# Altium PCB Neon-Demon-Earing-revA.PcbDoc
Units mm, origin at the board's own origin, x right, y up, seen from the top; angles counter-clockwise.
Board outline 8.16 x 6.19 mm, 2 copper layers (Top Layer, Bottom Layer); 6 components, 5 nets, 17 pads, 6 vias.
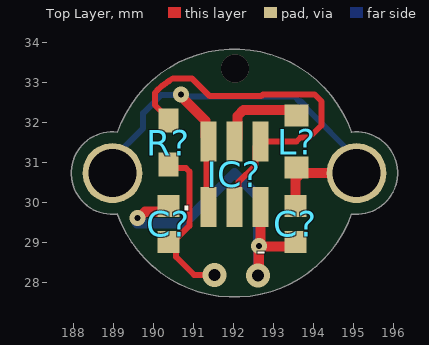
[diagram p0: Top Layer view]
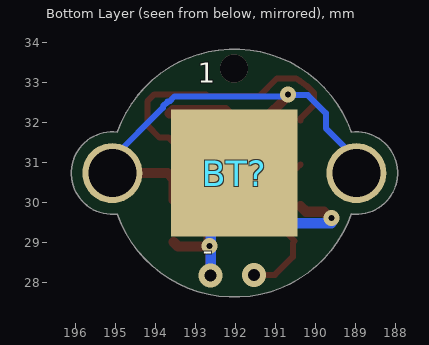
[diagram p1: Bottom Layer view, seen from below]
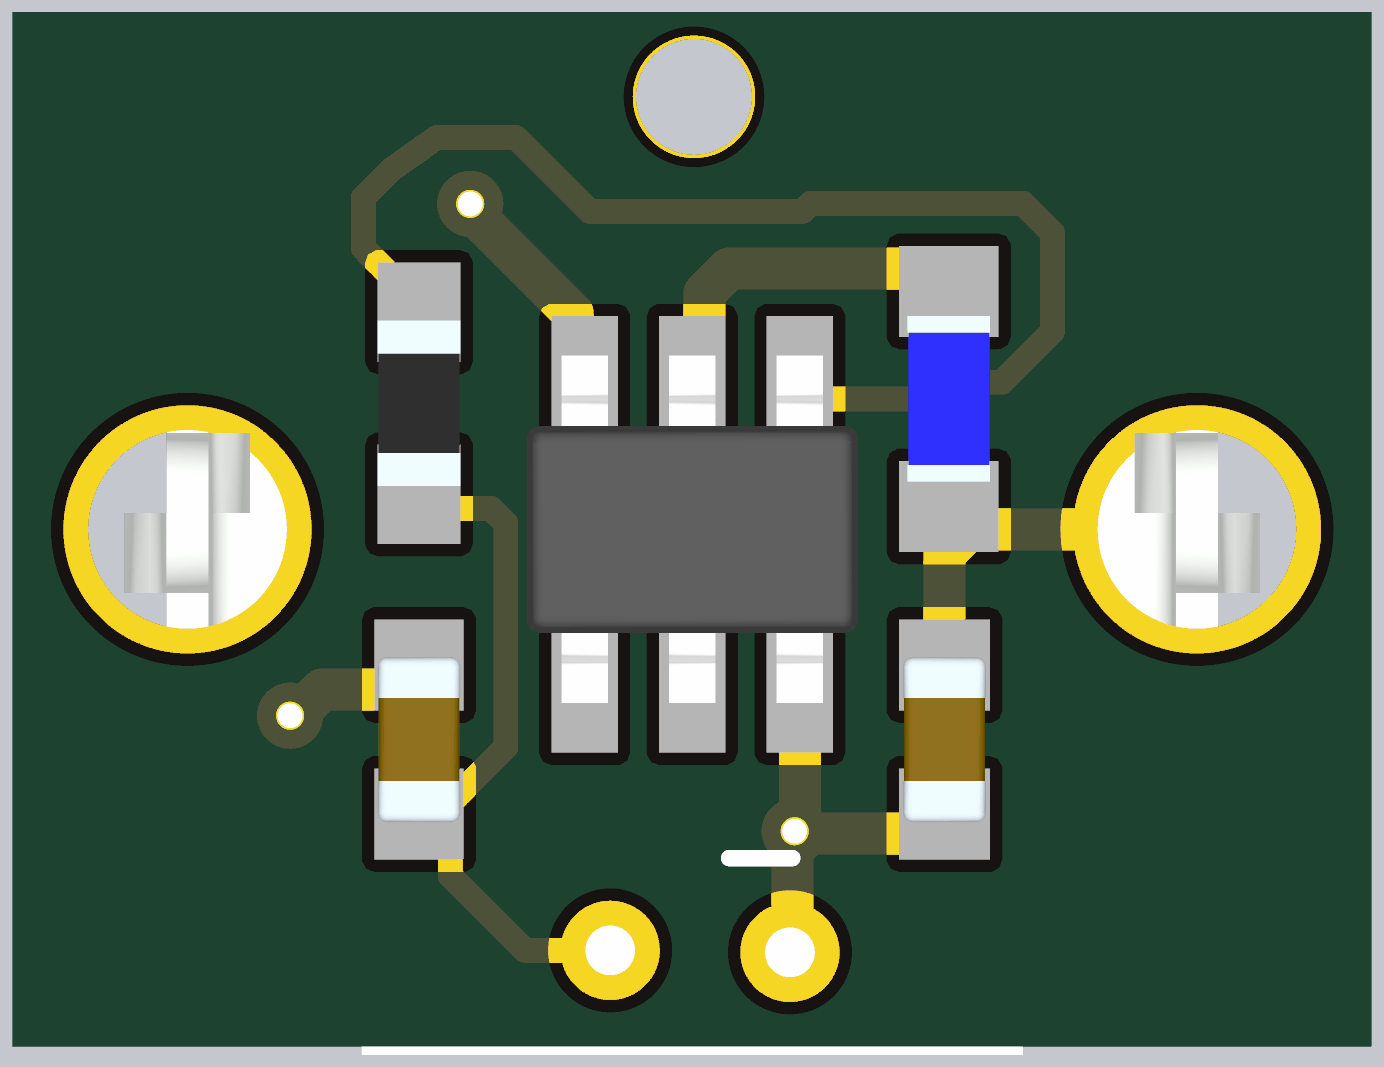
[diagram p2: 3D render of the assembled board from above, using the file's embedded part models]

## Layer stack, top to bottom
Top Solder: solder mask 0.0102, Solder Resist, Dk 3.5
Top Layer: signal copper 0.0356
Dielectric 1: dielectric 0.32, FR-4, Dk 4.8
Bottom Layer: signal copper 0.0356
Bottom Solder: solder mask 0.0102, Solder Resist, Dk 3.5

## Board outline
189.096,29.715 ccw(c192.024,30.734) 194.949,29.708 194.946,29.709 ccw(c195.07,30.734) 194.946,31.759 194.949,31.76 ccw(c192.024,30.734) 189.098,31.759 ccw(c188.974,30.734)

## Design rules (kind name [scope] priority, off if disabled: settings)
BoardOutlineClearance [All] p1: gap=0.2 ignorepadtopadclearanceinfootprint=FALSE
Clearance [All] p1: gap=0.127 ignorepadtopadclearanceinfootprint=FALSE except(0.25: Arc-Hole Track-Hole SMDPad-Hole THPad-Hole Via-Hole Fill-Hole Poly-Hole Region-Hole Text-Hole)
ComponentClearance [All] p1: gap=0.127 collisioncheckmode=3 verticalgap=0.127 showdistances=TRUE
DiffPairsRouting [All] p1: maxlimit=0.254 minlimit=0.127 mostfreqgap=0.127 toplayer_minwidth=0.127 toplayer_maxwidth=25.4 toplayer_prefwidth=0.127 bottomlayer_minwidth=0.127 bottomlayer_maxwidth=25.4 bottomlayer_prefwidth=0.127 maxuncoupledlength=12.7
Height [All] p1: minheight=0 maxheight=1816.048 prefheight=12.7
HoleSize [All] p1: absolutevalues=TRUE maxlimit=6.3 minlimit=0.3 maxpercent=80.000 minpercent=20.000
HoleToHoleClearance [All] p1: gap=0.25 allowstackedmicrovias=FALSE
MinimumAnnularRing [All] p1: minimumring=0.076
MinimumSolderMaskSliver [All] p1: minsoldermaskwidth=0
PlaneClearance [All] p1: clearance=0.127
PlaneConnect PlaneConnectPowerPads [InPadClass('PowerPads')] p1: planeconnectstyle=Direct reliefexpansion=0.508 reliefentries=4 reliefconductorwidth=0.254 reliefairgap=0.254
PlaneConnect [All] p2: pad.planeconnectstyle=Relief pad.reliefexpansion=0.3 pad.reliefentries=4 pad.reliefconductorwidth=0.127 pad.reliefairgap=0.127 via.planeconnectstyle=Direct via.reliefexpansion=0.3 via.reliefentries=4 via.reliefconductorwidth=0.127 via.reliefairgap=0.127
PolygonConnect PolygonConnectPowerPads [All vs (InPadClass('PowerPads'))] p1: connectstyle=Direct reliefconductorwidth=0.254 reliefentries=4 polygonreliefangle="90 Angle" airgapwidth=0.254
PolygonConnect [All] p2: thpad.connectstyle=Relief thpad.reliefconductorwidth=0.127 thpad.reliefentries=4 thpad.polygonreliefangle="90 Angle" thpad.airgapwidth=0.127 smdpad.connectstyle=Relief smdpad.reliefconductorwidth=0.127 smdpad.reliefentries=4 smdpad.polygonreliefangle="90 Angle" smdpad.airgapwidth=0.127 via.connectstyle=Direct via.reliefconductorwidth=0.127 via.reliefentries=4 via.polygonreliefangle="90 Angle" via.airgapwidth=0.127
RoutingVias [All] p1: holewidth=0.3 width=0.6 viastyle="Through Hole" minholewidth=0.3 minwidth=0.6 maxholewidth=0.6 maxwidth=6.6
SilkToSilkClearance [All] p1: silktosilkclearance=0
SilkToSolderMaskClearance [IsPad] p1: minsilkscreentomaskgap=0.127 clearancetoexposedcopper=TRUE
SolderMaskExpansion [All] p1: expansion=0.075 istentingtop=FALSE
Width [All] p1: maxlimit=25.4 minlimit=0.127 preferedwidth=0.127 minimp=50.000000 maximp=50.000000 favimp=50.000000
20 further rules are at their usual default settings.

## Classes and differential pairs
component class Neon-Demon-Earing-revA: BT? C? IC? R?

## Components (designator, comment, footprint, x,y, rotation, side; value= is the part's Value field where it differs from the comment)
BT? "2987" BAT_2987 192.024,30.734 r180 bottom
C? "04023A0R8CAT2A" CAPC1005X56N#1 193.548,29.464 r270 top
C? "04023A0R8CAT2A" CAPC1005X56N#2 190.373,29.464 r90 top
IC? "TPS61222DCKR" SOT65P210X110-6N 192.024,30.734 r90 top
L? "MLF1005G2R2JT000" INDC1005X55N 193.574,31.522 r90 top
R? "CPF0402B100KE" RESC1005X35N 190.373,31.496 r90 top

## Footprints (in the part's own frame and the unit in brackets; to place one, negate y for a bottom-side part, rotate by r counter-clockwise, add the part's x,y. Pads: shape width x height; smd on the part's side, far side on the other; paste and mask are expansions set on the pad)
BAT_2987 [mm]
  rect 3.17x3.17 smd paste-3: N(0,0)
  round 1.5 hole 1.2: P1(-3.05,0) P2(3.05,0)
  body extent -3.43,-3.18 3.43,2.79, height 2.79
CAPC1005X56N#1 [mm]
  rect 0.55x0.55 smd: 1(-0.45,0) 2(0.45,0)
  body extent -0.5,-0.25 0.5,0.25, height 0.56
CAPC1005X56N#2 [mm]
  rect 0.55x0.54 smd: 1(-0.45,0) 2(0.45,0)
  body extent -0.5,-0.25 0.5,0.25, height 0.56
INDC1005X55N [mm]
  rect 0.55x0.6 smd: 1(-0.65,0) 2(0.65,0)
  body extent -0.5,-0.25 0.5,0.25, height 0.55
RESC1005X35N [mm]
  rect 0.6x0.5 smd: 1(-0.55,0) 2(0.55,0)
  body extent -0.5,-0.25 0.5,0.25, height 0.35
SOT65P210X110-6N [mm]
  rect 1x0.4 smd: 1(-0.85,0.65) 2(-0.85,0) 3(-0.85,-0.65) 4(0.788,-0.65) 5(0.788,0) 6(0.788,0.65)
  body extent -1.05,-1 1.05,1, height 1

## Part data
BT?: Package=None, Availability=Unavailable, MP=2987, Price=None
C? C?: "Capacitor", Manufacturer_Name=AVX, Mouser Part Number=581-04023A0R8CAT2A, Datasheet Link=http://www.mouser.com/catalog/supplier/library/pdf/AVXSurfaceMountCeramic.pdf, Height=0.56mm, Manufacturer_Part_Number=04023A0R8CAT2A, Mouser Price/Stock=https://www.mouser.co.uk/ProductDetail/AVX/04023A0R8CAT2A?qs=ZwvTZoB9SO%252BVBOZ%252BNMbjzw%3D%3D
IC?: "Integrated Circuit", Manufacturer_Name="Texas Instruments", Mouser Part Number=595-TPS61222DCKR, Arrow Part Number=TPS61222DCKR, Arrow Price/Stock=https://www.arrow.com/en/products/tps61222dckr/texas-instruments?region=nac, Datasheet Link=https://www.ti.com/lit/gpn/TPS61222, Height=1.1mm, Manufacturer_Part_Number=TPS61222DCKR, Mouser Price/Stock=https://www.mouser.co.uk/ProductDetail/Texas-Instruments/TPS61222DCKR?qs=IDSsxkoac0xpx0kmXXJcTA%3D%3D
L?: "Inductor", Manufacturer_Name=TDK-Lambda, Mouser Part Number=810-MLF1005G2R2JT000, Datasheet Link=https://product.tdk.com/system/files/dam/doc/product/inductor/inductor/smd/catalog/inductor_commercial_standard_mlf1005_en.pdf, Height=0.55mm, Manufacturer_Part_Number=MLF1005G2R2JT000, Mouser Price/Stock=https://www.mouser.co.uk/ProductDetail/TDK/MLF1005G2R2JT000?qs=%2FPzWLGNeQ%252BhXmsvIBrs2gg%3D%3D
R?: "Resistor", Manufacturer_Name="TE Connectivity", Mouser Part Number=279-CPF0402B100KE, Arrow Part Number=CPF0402B100KE, Arrow Price/Stock=https://www.arrow.com/en/products/cpf0402b100ke/te-connectivity?region=nac, Datasheet Link=http://www.farnell.com/datasheets/1786775.pdf, Height=0.35mm, Manufacturer_Part_Number=CPF0402B100KE, Mouser Price/Stock=https://www.mouser.co.uk/ProductDetail/TE-Connectivity-Holsworthy/CPF0402B100KE?qs=CXI0wBT1M2h4W2Gm72yIGA%3D%3D

## Via types
v1: diameter 0.4, hole 0.15, Top Layer to Bottom Layer, tented both sides, 3 vias
v2: diameter 0.6, hole 0.3, Top Layer to Bottom Layer, 2 vias
v3: diameter 0.7, hole 0.7, Top Layer to Bottom Layer, 1 vias

## Nets (pads, with @x,y where several pads share a name; then routed paths per layer and width w, separated by ;. In a path a pad name is that pad's centre, name@x,y a point inside that pad or via, vN(x,y) a via of type N, cw(c..) or ccw(c..) an arc to the next point about the centre after c; other vN are vias at no path point)
3V3: C?.1@190.373,29.014 R?.1 | length 4.1
  Top Layer w0.15: R?.1 190.458,30.861 190.809,30.861 190.897,30.773 190.897,29.416 190.516,29.035 190.562,28.989 190.562,28.64 191.012,28.19 v2(191.528,28.19)
GND: BT?.N C?.2 IC?.3 | length 9.3
  Top Layer w0.254: v1@189.611,29.591 189.786,29.766 190.23,29.766 190.373,29.909 C?.2@190.373,29.914 ; v2@192.629,28.192 192.629,28.896 v1(192.643,28.91) ; IC?.3 192.674,28.941 v1(192.643,28.91) ; C?.2@193.548,29.014 193.43,28.896 192.657,28.896 v1(192.643,28.91)
  Bottom Layer w0.254: v1@189.594,29.481 190.771,29.481 BT?.N 192.614,30.144 v2(192.614,28.178)
  other v1: 189.594,29.608
NetIC?_2: IC?.2 IC?.4 R?.2 | length 9.6
  Top Layer w0.15: R?.2 190.373,32.096 190.037,32.432 190.037,32.741 190.081,32.785 cw(c190.187,32.679) 190.083,32.787 190.211,32.912 190.364,33.02 ccw(c190.293,33.152) 190.395,33.042 190.48,33.103 190.957,33.103 191.405,32.655 192.69,32.655 192.738,32.704 194.023,32.704 194.2,32.527 194.2,31.927 193.897,31.623 193.675,31.623 193.574,31.522 IC?.4 192.549,31.397 192.549,30.932 192.122,30.505 192.122,29.982 IC?.2
NetIC?_5: IC?.5 L?.2 | length 2.3
  Top Layer w0.254: IC?.5 192.097,31.595 192.097,32.161 192.246,32.31 193.556,32.31 L?.2@193.64,32.227
VBAT: BT?.P1 BT?.P2 C?.1@193.548,29.914 IC?.1 IC?.6 L?.1 | length 13.9
  Top Layer w0.254: v1(190.682,32.701) 190.682,32.661 191.301,32.042 191.301,31.649 191.374,31.576 IC?.6 IC?.1 IC?.1@191.374,29.591 ; C?.1@193.548,30.064 193.548,30.585 193.697,30.734 BT?.P1
  Bottom Layer w0.15: BT?.P2 188.974,31.087 189.738,31.852 189.738,32.233 190.187,32.681 190.663,32.681 v1(190.682,32.701) ; v1@190.719,32.735 190.805,32.649 193.525,32.649 193.652,32.521 193.693,32.521 193.811,32.403 193.811,32.362 195.074,31.099 BT?.P1
copper on no net:
  other v3: 192.034,33.348

## Silkscreen, mask and mechanical layers (free items; w line width, h text height)
Top Overlay:
  text "." at 190.985,29.788 h0.7
  text "-" at 192.813,28.552 h0.5
Bottom Overlay:
  text "1" at 192.94,32.993 h0.5
  text "-" at 192.813,28.552 h0.5
Board:
  circle w0.1: c195.07,30.734 r0.588
  circle w0.1: c188.974,30.734 r0.588
  lines w0.05: 189.096,29.715 ccw(c192.024,30.734) 194.949,29.708 ; 189.098,29.709 cw(c188.974,30.734) 189.098,31.759 cw(c192.024,30.734) 194.949,31.76 ; 194.946,29.709 ccw(c195.07,30.734) 194.946,31.759